# Altium PCB carrier.PcbDoc (part 5 of 5)
Units mm, origin at the board's own origin, x right, y up, seen from the top; angles counter-clockwise.
Board outline 140 x 87 mm, 4 copper layers (Component Side, Power_layer1, Power_layer2, Solder Side), stack 1.674 mm thick; 384 components, 416 nets, 1916 pads, 853 vias.
Unrouted connection lines stored in the file: 26.
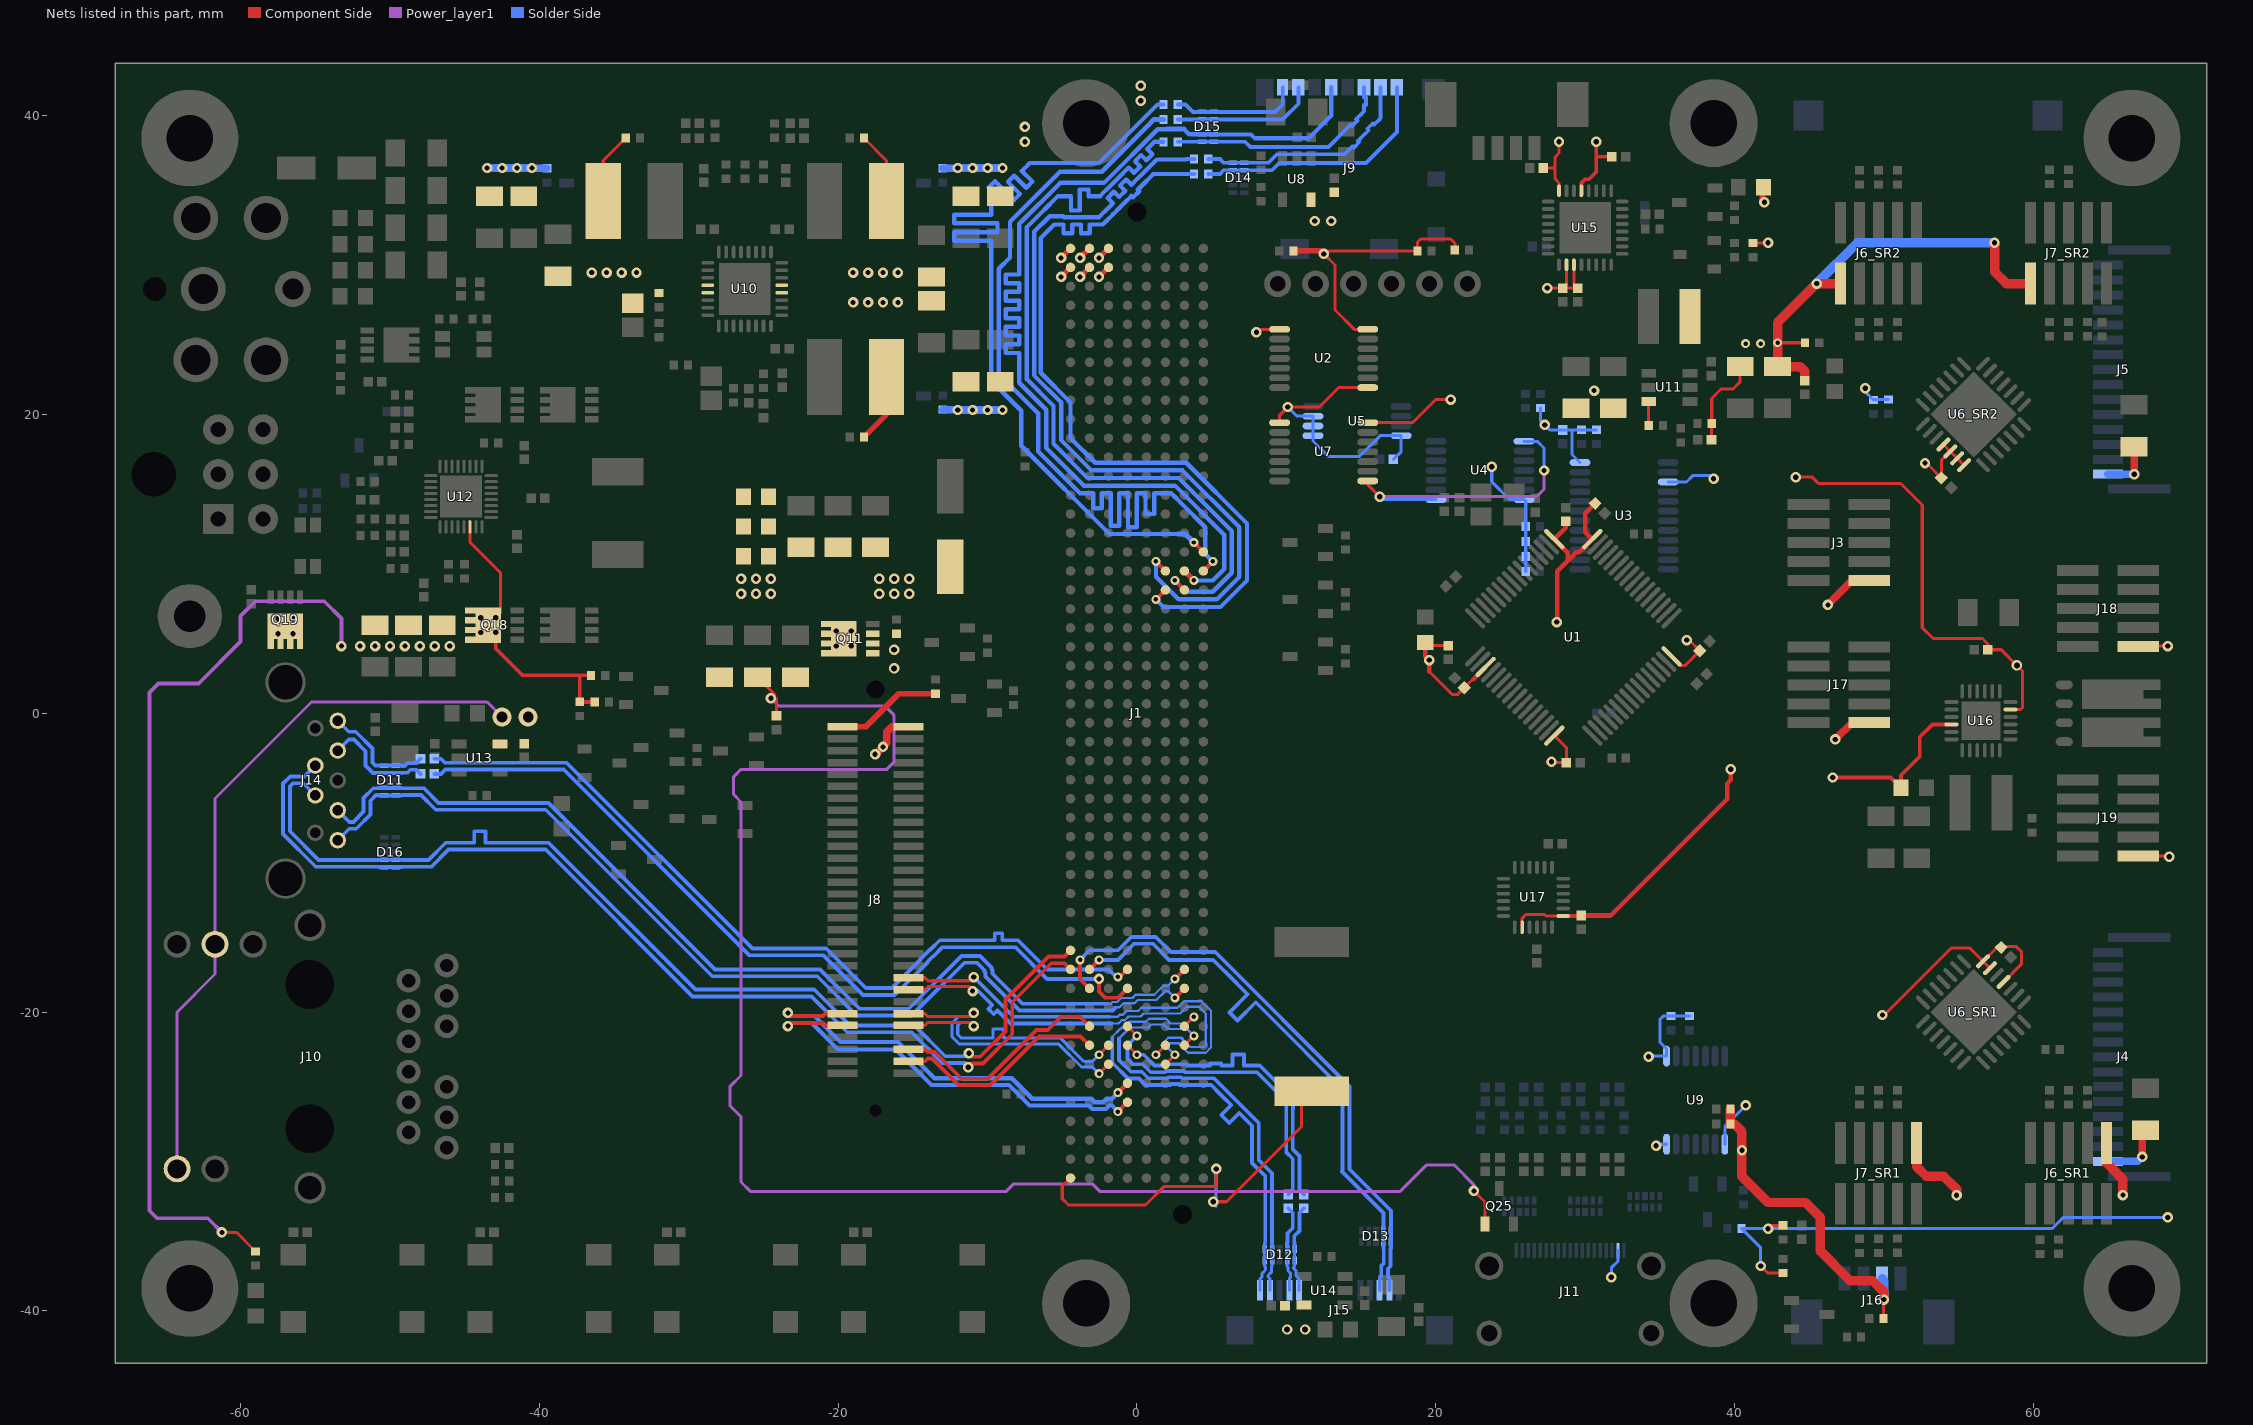
[diagram p7: the nets of this part, all layers, seen from the top]

## Via types
v1: diameter 0.7, hole 0.35, Component Side to Solder Side, 418 vias
v2: diameter 0.7, hole 0.35, Component Side to Solder Side, tented both sides, 128 vias
v3: diameter 0.6, hole 0.3, Component Side to Solder Side, tented top, 101 vias
v4: diameter 0.7, hole 0.35, Component Side to Solder Side, tented top, 72 vias
v5: diameter 0.7, hole 0.4, Component Side to Solder Side, 48 vias
v6: diameter 0.6, hole 0.3, Component Side to Solder Side, 39 vias
v7: diameter 0.7, hole 0.35, Component Side to Solder Side, tented bottom, 36 vias
v8: diameter 0.7, hole 0.4, Component Side to Solder Side, tented bottom, 7 vias
v9: diameter 1.27, hole 0.711, Component Side to Solder Side, 2 vias
v10: diameter 0.6, hole 0.3, Component Side to Solder Side, tented bottom, 2 vias

## Nets (pads, with @x,y where several pads share a name; then routed paths per layer and width w, separated by ;. In a path a pad name is that pad's centre, name@x,y a point inside that pad or via, vN(x,y) a via of type N, cw(c..) or ccw(c..) an arc to the next point about the centre after c; other vN are vias at no path point) (continued)
SATA_TX_N: J1.D45 J8.49 | length 29.6
  Component Side w0.279: v1(-23.368,-20.061) -23.158,-20.271 -21.011,-20.271 -20.84,-20.1 J8.49@-19.7,-20.1 ; v3(-1.27,-25.4) J1.D45@-0.635,-24.765
  Solder Side w0.279: v1(-23.368,-20.061) -23.158,-20.271 -21.582,-20.271 -19.853,-22 -16,-22 -13.565,-24.435 -8.382,-24.435 -7.01,-25.806 -3.042,-25.806 -2.806,-26.042 -2.274,-26.042 -2.038,-25.806 -1.676,-25.806 v3(-1.27,-25.4)
SATA_TX_P: J1.D46 J8.51 | length 29.6
  Component Side w0.279: v1(-23.368,-20.939) -23.158,-20.729 -21.011,-20.729 -20.84,-20.9 J8.51@-19.7,-20.9 ; v3(-1.27,-26.67) J1.D46@-0.635,-26.035
  Solder Side w0.279: v1(-23.368,-20.939) -23.158,-20.729 -21.771,-20.729 -20,-22.5 -16.147,-22.5 -13.755,-24.892 -8.571,-24.892 -7.2,-26.264 -3.231,-26.264 -2.995,-26.499 -2.085,-26.499 -1.849,-26.264 -1.676,-26.264 v3(-1.27,-26.67)
SDC_CLK: D15.4 J1.G18 J9.5 | length 71
  Component Side w0.343: J1.G18@3.175,9.525 v3(3.81,8.89)
  Solder Side w0.254: D15.4@5.135,38.75 7.632,38.75 7.901,38.481
  Solder Side w0.292: 2,39.1 1.387,39.1 -2.213,35.5 -5.14,35.5 -7.874,32.766 -7.874,30.25 -7.874,29.958 -7.874,29.374 -8.78,29.374 -8.78,28.79 -7.874,28.79 -7.874,28.205 -8.78,28.205 -8.78,27.621 -7.874,27.621 -7.874,27.037 -8.78,27.037 -8.78,26.453 -7.874,26.453 -7.874,25.869 -8.78,25.869 -8.78,25.284 -7.874,25.284 -7.874,24.7 -8.78,24.7 -8.78,24.116 -7.874,24.116 -7.874,22.25 -7.874,22.126 -6.071,20.323 -6.071,17.755 -3.556,15.24 2.54,15.24 5.842,11.938 5.842,9.652 5.08,8.89 v3(3.81,8.89) ; 3.15,39.1 3.5,38.75 D15.4@4.365,38.75 D15.4@5.135,38.75 ; 7.901,38.481 11.481,38.481 13.005,40.005 J9.5@13.005,41.9
  Solder Side w0.343: 2,39.1 3.15,39.1
SDC_CMD: J1.G19 R25.1 | length 54.3
  Component Side w0.292: v3(2.54,8.89) J1.G19@3.175,8.255
  Solder Side w0.292: R25.1@1.775,38.25 1.166,38.25 1.105,38.189 0.692,37.776 1.045,37.423 0.632,37.01 0.279,37.363 -0.134,36.95 0.218,36.597 -0.195,36.184 -0.547,36.537 -0.96,36.124 -1.167,35.917 -1.64,35.444 -1.672,35.412 -2.467,34.617 -2.858,34.617 -3.247,34.617 -3.247,35.056 -3.831,35.056 -3.831,34.617 -3.831,33.654 -4.415,33.654 -4.415,34.617 -4.999,34.617 -5.292,34.617 -5.594,34.315 -6.007,33.902 -6.421,33.488 -6.627,33.282 -7.366,32.543 -7.366,22.352 -5.588,20.574 -5.588,18.034 -3.302,15.748 2.794,15.748 6.35,12.192 6.35,9.398 5.08,8.128 3.302,8.128 v3(2.54,8.89)
SDC_D0: J1.H18 R26.1 | length 60.3
  Component Side w0.254: J1.H18@4.445,9.525 v3(5.08,10.16)
  Solder Side w0.292: 1.016,39.624 -2.358,36.25 -5.152,36.25 -8.5,32.902 -8.5,30.5 -9.25,29.75 -9.25,22.79 -9.25,22.712 -6.604,20.066 -6.604,17.526 -3.81,14.732 -3.518,14.732 -2.934,14.732 -2.934,13.722 -2.349,13.722 -2.349,14.732 -1.765,14.732 -1.765,12.554 -1.181,12.554 -1.181,14.732 -0.597,14.732 -0.597,12.444 -0.013,12.444 -0.013,14.732 0.572,14.732 0.572,13.338 1.156,13.338 1.156,14.732 1.74,14.732 2.286,14.732 2.493,14.525 2.906,14.112 3.009,14.009 4.572,12.446 4.572,10.668 v3(5.08,10.16)
  Solder Side w0.343: 1.016,39.624 1.142,39.75 R26.1@1.775,39.75
SDC_D1: J1.H17 R125.1 | length 63.1
  Component Side w0.254: v3(3.81,11.43) J1.H17@4.445,10.795
  Solder Side w0.292: R125.1@1.775,40.75 1.38,40.75 -2.54,36.83 -7.17,36.83 -7.5,36.5 -7.707,36.293 -7.001,35.587 -7.414,35.174 -8.12,35.88 -8.223,35.984 -8.636,35.571 -8.533,35.467 -7.827,34.761 -8.24,34.348 -8.946,35.054 -9.503,35.611 -9.916,35.198 -9.359,34.641 -9.75,34.25 -9.75,33.958 -9.75,33.374 -12.225,33.374 -12.225,32.789 -9.75,32.789 -9.339,32.789 -9.339,32.205 -9.75,32.205 -12.225,32.205 -12.225,31.621 -9.75,31.621 -9.75,30 -9.75,22.25 -7.75,20.25 -7.75,17.91 -1.84,12 2.75,12
  Solder Side w0.343: 2.75,12 3.24,12 v3(3.81,11.43)
SDC_D2: J1.F19 R126.1 | length 54.8
  Component Side w0.292: v3(1.27,7.62) J1.F19@1.905,8.255
  Solder Side w0.292: v3(1.27,7.62) 1.778,7.112 5.588,7.112 7.366,8.89 7.366,12.7 3.302,16.764 -2.794,16.764 -4.445,18.415 -4.445,20.805 -6.439,22.799 -6.439,31.811 -5.535,32.715 -4.915,32.715 -4.915,32.13 -4.331,32.13 -4.331,32.715 -3.746,32.715 -3.746,32.13 -3.162,32.13 -3.162,32.715 -2.578,32.715 -2.286,32.715 -2.023,32.978 -1.61,33.391 -1.197,33.804 -0.784,34.217 -0.371,34.63 -0.268,34.527 0.146,34.94 0.042,35.043 0.249,35.25 1.099,36.1 R126.1@3.825,36.1
SDC_D3: J1.F18 R127.1 | length 55.9
  Component Side w0.292: v3(1.27,10.16) J1.F18@1.905,9.525
  Solder Side w0.292: v3(1.27,10.16) 1.27,9.144 2.794,7.62 5.334,7.62 6.858,9.144 6.858,12.446 3.048,16.256 -3.048,16.256 -5.08,18.288 -5.08,20.811 -6.883,22.615 -6.883,32.233 -5.842,33.274 -4.952,33.274 -4.887,33.209 -4.06,33.209 -3.108,33.209 -2.75,33.209 -2.541,33.209 -2.435,33.315 -2.022,33.728 -1.609,34.141 -1.962,34.494 -1.549,34.907 -1.196,34.554 -0.783,34.967 -1.135,35.32 -0.722,35.733 -0.37,35.38 0.043,35.793 0.25,36 1.322,37.072 3.306,37.072 3.278,37.1 R127.1@3.825,37.1
SDCARD_CMD: D15.5 J9.3 R25.2 | length 15.7
  Solder Side w0.254: R25.2@2.725,38.25 D15.5@4.365,38.25 D15.5@5.135,38.25 7.25,38.25 7.591,37.91 12.814,37.91 14.307,39.402 14.397,39.312 14.756,39.672 14.666,39.761 15.025,40.121 15.205,40.3 15.205,40.716 15.332,40.716 15.332,41.224 15.205,41.224 15.205,41.478 J9.3@15.205,41.9
SDCARD_DAT0: D15.2 J9.7 R26.2 | length 9.5
  Solder Side w0.254: R26.2@2.8,39.75 D15.2@4.365,39.75 D15.2@5.135,39.75 9.75,39.75 10.805,40.805 J9.7@10.805,41.9
SDCARD_DAT1: D15.1 J9.8 R125.2 | length 8.6
  Solder Side w0.254: R125.2@2.725,40.75 3.25,40.75 3.75,40.25 D15.1@4.365,40.25 D15.1@5.135,40.25 9.25,40.25 9.755,40.755 J9.8@9.755,41.9
SDCARD_DAT2: D14.2 J9.1 R126.2 | length 16.8
  Solder Side w0.254: R126.2@4.775,36.1 5.55,36.1 5.8,36.35 D14.2@6.415,36.35 D14.2@7.185,36.35 9.05,36.35 9.53,36.83 15.33,36.83 17.405,38.905 J9.1@17.405,41.9
SDCARD_DAT3: D14.1 J9.2 R127.2 | length 15.4
  Solder Side w0.254: R127.2@4.775,37.1 5.55,37.1 5.8,36.85 D14.1@6.415,36.85 D14.1@7.185,36.85 8.8,36.85 9.364,37.414 13.894,37.414 14.073,37.594 14.433,37.953 14.522,37.863 14.882,38.222 14.792,38.312 15.151,38.671 15.51,39.031 15.42,39.12 15.78,39.48 15.869,39.39 16.229,39.749 16.305,39.825 16.305,40.079 16.305,40.587 16.305,40.64 J9.2@16.305,41.9
USB0_D_N: D13.1 J1.B40 J15.2 | length 39.9
  Component Side w0.279: v3(-3.81,-16.51) -3.81,-17.78 J1.B40@-3.175,-18.415
  Solder Side w0.254: v3(-3.81,-16.51) -3.168,-15.868 -1.274,-15.868 -0.38,-14.973 1.263,-14.973 2.28,-15.99 5.237,-15.99 14.224,-24.977 14.224,-30.527 17,-33.303 D13.1@17,-34.615 D13.1@17,-35.385 17,-35.787 16.979,-35.808 16.979,-37.014 16.804,-37.189 16.804,-37.727 16.9,-37.823 J15.2@16.9,-38.625
USB0_D_P: D13.2 J1.B39 J15.3 | length 39.9
  Component Side w0.279: J1.B39@-3.175,-17.145 v3(-2.54,-16.51)
  Solder Side w0.254: v3(-2.54,-16.51) -1.27,-16.51 -0.191,-15.43 1.073,-15.43 2.153,-16.51 5.11,-16.51 6.6,-18 6.869,-18.269 7.408,-18.808 6.184,-20.032 6.723,-20.571 7.947,-19.347 8.85,-20.25 13.767,-25.167 13.767,-30.615 13.716,-30.666 16.5,-33.45 D13.2@16.5,-34.615 D13.2@16.5,-35.385 16.5,-35.787 16.521,-35.808 16.521,-36.825 16.346,-37 16.346,-37.727 16.25,-37.823 J15.3@16.25,-38.625
USB0_RX_N: D11.5 J1.G40 J14.5 | length 68.6
  Component Side w0.254: v3(2.54,-19.05) J1.G40@3.175,-18.415
  Solder Side w0.152: -1.5,-19.7 -1.482,-19.682 -1.175,-19.682 -0.903,-19.41 -0.158,-19.41 0.052,-19.2 1.298,-19.2 1.905,-18.593 2.083,-18.593 v3(2.54,-19.05)
  Solder Side w0.254: J14.5@-53.5,-8.5 -52.729,-7.729 -52.262,-7.729 -51.308,-6.775 -51.308,-5.86 -50.927,-5.479 -50.808,-5.479 -50.787,-5.5 D11.5@-50.385,-5.5 D11.5@-49.615,-5.5 -49.213,-5.5 -49.192,-5.479 -47.921,-5.479 -46.943,-6.457 -39.575,-6.457 -28.43,-17.602 -21.398,-17.602 -18.766,-20.234 -15.087,-20.234 -11.553,-16.7 -10.703,-16.7 -10.203,-17.199 -10.203,-17.306 -10.135,-17.374 -10.135,-17.624 -7.853,-19.906 -1.634,-19.906 -1.464,-19.736
USB0_RX_P: D11.4 J1.G39 J14.6 | length 68.5
  Component Side w0.254: v3(2.54,-17.78) J1.G39@3.175,-17.145
  Solder Side w0.152: -2,-19.449 -1.751,-19.449 -1.63,-19.327 -1.322,-19.327 -1.05,-19.055 -0.305,-19.055 -0.095,-18.844 1.151,-18.844 1.758,-18.237 2.083,-18.237 v3(2.54,-17.78)
  Solder Side w0.254: J14.6@-53.5,-6.5 -52.729,-7.271 -52.451,-7.271 -51.765,-6.586 -51.765,-5.67 -51.116,-5.021 -50.808,-5.021 -50.787,-5 D11.4@-50.385,-5 D11.4@-49.615,-5 -49.213,-5 -49.192,-5.021 -47.732,-5.021 -46.753,-6 -39.385,-6 -28.24,-17.145 -21.208,-17.145 -18.577,-19.777 -15.277,-19.777 -11.743,-16.243 -10.514,-16.243 -9.746,-17.01 -9.746,-17.116 -9.678,-17.184 -9.678,-17.434 -7.664,-19.449 -2,-19.449
USB0_TX_N: C91.2 J1.D40 | length 56.3
  Component Side w0.254: v4(-2.54,-17.78) -2.54,-18.624 -2.114,-19.05 -1.27,-19.05 J1.D40@-0.635,-18.415
  Solder Side w0.254: C91.2@-47.038,-4.064 -46.591,-4.064 -46.299,-3.772 -38.368,-3.772 -25.934,-16.205 -20.992,-16.205 -18.34,-18.857 -16.211,-18.857 -14.029,-16.676 -14.029,-16.639 -13.661,-16.271 -13.624,-16.271 -13.011,-15.657 -8.143,-15.657 -6.02,-17.78 v4(-2.54,-17.78)
USB0_TX_P: C90.2 J1.D39 | length 56.5
  Component Side w0.254: v3(-1.27,-17.64) -1.13,-17.64 J1.D39@-0.635,-17.145
  Solder Side w0.254: C90.2@-47.04,-3.048 -46.593,-3.048 -46.326,-3.315 -38.178,-3.315 -25.745,-15.748 -20.803,-15.748 -18.151,-18.4 -16.4,-18.4 -14.487,-16.487 -14.487,-16.45 -13.85,-15.813 -13.813,-15.813 -13.2,-15.2 -11.5,-15.2 -9.52,-15.2 -9.52,-14.722 -9.012,-14.722 -9.012,-15.2 -8.504,-15.2 -8.25,-15.2 -7.953,-15.2 -7.355,-15.798 -6.817,-16.337 -6.278,-16.876 ; -6.403,-16.75 -6.278,-16.876 ; v3(-1.27,-17.64) -1.41,-17.64 -1.905,-17.145 -6.008,-17.145 -6.278,-16.876
USB0_TXc_N: C91.1 D11.2 J14.8 | length 7.5
  Solder Side w0.254: J14.8@-53.5,-2.5 -52.767,-1.767 -52.411,-1.767 -51.638,-2.54 -51.638,-3.491 -51.13,-4 D11.2@-50.385,-4 D11.2@-49.615,-4 -49.213,-4 -49.192,-3.979 -48.835,-3.979 -48.641,-3.785 -48.237,-3.785 C91.1@-47.958,-4.064
USB0_TXc_P: C90.1 D11.1 J14.9 | length 7.5
  Solder Side w0.254: J14.9@-53.5,-0.5 -52.767,-1.233 -52.298,-1.233 -51.181,-2.351 -51.181,-3.302 -50.983,-3.5 D11.1@-50.385,-3.5 D11.1@-49.615,-3.5 -49.213,-3.5 -49.192,-3.521 -49.024,-3.521 -48.83,-3.327 -48.239,-3.327 C90.1@-47.96,-3.048
USB1_D_N: D16.5 J1.A39 J14.2 | length 70.6
  Component Side w0.254: v1(-11.3,-23.7) -11.054,-23.454 -10.311,-23.454 -8.343,-21.487 -8.343,-19.343 -5.739,-16.739 -4.851,-16.739 J1.A39@-4.445,-17.145
  Solder Side w0.254: J14.2@-55,-3.5 -55.733,-4.233 -56.68,-4.233 -57.157,-4.711 -57.157,-8.089 -54.968,-10.279 -50.808,-10.279 -50.787,-10.3 D16.5@-50.385,-10.3 D16.5@-49.615,-10.3 -49.213,-10.3 -49.192,-10.279 -47.232,-10.279 -46.077,-9.123 -39.577,-9.123 -29.743,-18.957 -21.789,-18.957 -19.389,-21.357 -15.089,-21.357 -13.027,-23.419 -11.544,-23.419 -11.532,-23.432 -11.448,-23.432 -11.3,-23.579 v1(-11.3,-23.7)
USB1_D_P: D16.4 J1.A38 J14.3 | length 70.5
  Component Side w0.254: v1(-11.25,-22.752) -11.004,-22.997 -10.5,-22.997 -8.8,-21.297 -8.8,-19.153 -5.928,-16.281 -4.851,-16.281 J1.A38@-4.445,-15.875
  Solder Side w0.254: J14.3@-55,-5.5 -55.809,-4.691 -56.49,-4.691 -56.7,-4.9 -56.7,-7.9 -54.779,-9.821 -50.808,-9.821 -50.787,-9.8 D16.4@-50.385,-9.8 D16.4@-49.615,-9.8 -49.213,-9.8 -49.192,-9.821 -47.421,-9.821 -46.266,-8.666 -45.885,-8.666 -45.123,-8.666 -44.361,-8.666 -44.361,-7.898 -43.599,-7.898 -43.599,-8.666 -42,-8.666 -39.387,-8.666 -29.553,-18.5 -21.6,-18.5 -19.2,-20.9 -14.9,-20.9 -12.838,-22.962 -11.46,-22.962 v1(-11.25,-22.752)
USB1_RX_N: D12.4 J1.G43 J15.9 | length 33.5
  Component Side w0.203: J1.G43@3.175,-22.225 v3(3.81,-21.59)
  Solder Side w0.152: -1.2,-21.774 -0.632,-21.206 -0.544,-21.206 -0.373,-21.036 0.739,-21.036 0.947,-20.828 1.796,-20.828 2.106,-21.138 3.358,-21.138 v3(3.81,-21.59)
  Solder Side w0.203: 8.766,-37.634 8.766,-37.714 8.9,-37.848 J15.9@8.9,-38.625 ; 8.773,-37.642 8.991,-37.425 8.991,-37.071 9.05,-37.012 D12.4@9.05,-36.635
  Solder Side w0.254: -1.2,-21.774 -1.2,-23.2 -0.4,-24 0.325,-24 0.76,-24.435 2.039,-24.435 2.111,-24.363 2.969,-24.363 3.041,-24.435 5.165,-24.435 8.157,-27.427 8.157,-29.911 9.041,-30.795 9.041,-35.454 9.05,-35.463 D12.4@9.05,-35.865 D12.4@9.05,-36.635 ; 9.016,-34.8 9.016,-32.211
USB1_RX_P: D12.5 J1.G42 J15.10 | length 33.5
  Component Side w0.203: J1.G42@3.175,-20.955 v3(3.81,-20.32)
  Solder Side w0.152: -1.657,-21.692 -1.657,-21.656 -1.136,-21.135 -1.1,-21.135 -0.816,-20.851 -0.691,-20.851 -0.495,-20.655 0.592,-20.655 0.8,-20.447 1.936,-20.447 2.253,-20.764 3.365,-20.764 v3(3.81,-20.32)
  Solder Side w0.203: J15.10@8.25,-38.625 8.25,-37.848 8.385,-37.714 8.385,-37.492 8.61,-37.267 8.61,-37.071 8.55,-37.012 D12.5@8.55,-36.635
  Solder Side w0.254: -1.657,-21.692 -1.657,-23.389 -0.589,-24.457 0.136,-24.457 0.571,-24.892 2.229,-24.892 2.3,-24.821 2.78,-24.821 2.851,-24.892 4.976,-24.892 5.5,-25.416 5.769,-25.685 6.308,-26.224 5.637,-26.896 6.175,-27.435 6.847,-26.763 7.7,-27.616 7.7,-30.1 8.584,-30.984 8.584,-35.429 8.55,-35.463 D12.5@8.55,-35.865 D12.5@8.55,-36.635
USB1_TX_N: C97.2 J1.D43 | length 21.5
  Component Side w0.203: J1.D43@-0.635,-22.225 v3(0,-22.86)
  Solder Side w0.254: v3(0,-22.86) 0.46,-22.86 0.691,-23.091 0.691,-23.1 1.03,-23.439 1.039,-23.439 1.171,-23.571 1.682,-23.571 1.753,-23.5 3.327,-23.5 3.398,-23.571 4.5,-23.571 4.881,-23.571 4.881,-23.444 5.643,-23.444 5.643,-23.571 6.405,-23.571 6.405,-22.848 7.167,-22.848 7.167,-23.571 8,-23.571 8.218,-23.571 10.457,-25.811 10.457,-26.511 ; 10.432,-29.197 10.432,-26.071 ; 10.444,-29.197 10.881,-29.633 10.881,-31.921 C97.2@11.176,-32.216
USB1_TX_P: C96.2 J1.D42 | length 21.3
  Component Side w0.203: J1.D42@-0.635,-20.955 v3(0,-21.59)
  Solder Side w0.203: 7.5,-24.003 7.753,-24.003
  Solder Side w0.254: v3(0,-21.59) -0.63,-22.22 -0.63,-23.121 -0.261,-23.49 0.39,-23.49 0.928,-24.028 1.871,-24.028 1.942,-23.957 3.138,-23.957 3.209,-24.028 8.028,-24.028 10,-26 10,-29.399 10.423,-29.823 10.423,-31.921 C96.2@10.128,-32.216
USB1_TXc_N: C97.1 D12.1 J15.6 | length 5.9
  Solder Side w0.203: D12.1@10.55,-35.865 D12.1@10.55,-36.635 10.55,-37.012 10.491,-37.071 10.491,-37.155 10.65,-37.314 10.65,-37.65 10.848,-37.848 10.85,-37.848 J15.6@10.85,-38.625
  Solder Side w0.254: D12.1@10.55,-35.865 10.55,-35.463 10.529,-35.442 10.529,-35 10.881,-34.648 10.881,-33.431 C97.1@11.176,-33.136
USB1_TXc_P: C96.1 D12.2 J15.7 | length 5.9
  Solder Side w0.203: D12.2@10.05,-35.865 D12.2@10.05,-36.635 10.05,-37.012 10.11,-37.071 10.11,-37.313 10.269,-37.472 10.269,-37.779 10.2,-37.848 J15.7@10.2,-38.625
  Solder Side w0.254: D12.2@10.05,-35.865 10.05,-35.463 10.071,-35.442 10.071,-34.811 10.423,-34.459 10.423,-33.431 C96.1@10.128,-33.136
USBM2_D_N: J1.B43 J8.58 | length 14.5
  Component Side w0.254: J8.58@-15.3,-23.3 -14.173,-23.3 -13.989,-23.116 -13.714,-23.116 -11.938,-24.892 -9.803,-24.892 -6.552,-21.641 -5.639,-21.641 -5.626,-21.628 -3.772,-21.628 J1.B43@-3.175,-22.225
USBM2_D_P: J1.B42 J8.56 | length 14.9
  Component Side w0.254: J8.56@-15.3,-22.5 -14.173,-22.5 -13.989,-22.684 -13.535,-22.684 -11.759,-24.46 -9.982,-24.46 -6.731,-21.21 -5.968,-21.21 -5.079,-20.32 -3.81,-20.32 J1.B42@-3.175,-20.955
USBM2_RX_N: J1.F44 J8.44 | length 29.7
  Component Side w0.203: J8.44@-15.3,-17.7 -14.198,-17.7 -13.989,-17.909 -13.716,-17.909 -13.714,-17.907 -11.17,-17.907 v1(-10.922,-17.659) ; J1.F44@1.905,-23.495 v3(2.54,-22.86)
  Solder Side w0.152: -1.847,-20.312 -1.283,-20.312 -1.161,-20.19 -0.964,-20.19 -0.7,-19.926 0.081,-19.926 0.289,-19.718 2.71,-19.718 3.155,-19.273 4.16,-19.273 ; 2.083,-22.225 2.083,-22.403 v3(2.54,-22.86) ; 2.095,-22.225 2.222,-22.098 2.794,-22.098 3.414,-22.718 4.603,-22.718 4.956,-22.365 4.956,-19.921 4.307,-19.273
  Solder Side w0.203: 4.16,-19.273 4.307,-19.273
  Solder Side w0.254: v1(-10.922,-17.659) -8.268,-20.312 -1.847,-20.312
USBM2_RX_P: J1.F43 J8.46 | length 29.4
  Component Side w0.203: J8.46@-15.3,-18.5 -14.198,-18.5 -13.989,-18.29 -13.558,-18.29 -13.556,-18.288 -11.17,-18.288 ; v3(1.27,-22.86) J1.F43@1.905,-22.225
  Solder Side w0.152: -1.7,-20.769 -1.237,-20.769 -1.014,-20.546 -0.817,-20.546 -0.571,-20.299 0.228,-20.299 0.436,-20.091 2.9,-20.091 3.337,-19.654 4.16,-19.654 4.6,-20.094 4.6,-22.217 4.481,-22.337 3.571,-22.337 3.063,-21.829 ; v3(1.27,-22.86) 1.727,-22.403 1.727,-22.09 2.093,-21.724 2.959,-21.724
  Solder Side w0.203: 2.959,-21.724 3.063,-21.829
  Solder Side w0.254: v1(-11,-18.6) -10.627,-18.6 -10.227,-19 -10.048,-19.18 -9.688,-19.539 -9.941,-19.792 -9.582,-20.151 -9.329,-19.898 -8.97,-20.257 -8.458,-20.769 -1.7,-20.769
USBM2_TX_N: J1.C44 J8.50 | length 19
  Component Side w0.203: J8.50@-15.3,-20.1 -14.198,-20.1 -13.989,-20.309 -11.17,-20.309 v1(-10.922,-20.061) ; v3(-2.54,-24.13) J1.C44@-1.905,-23.495
  Solder Side w0.203: v1(-10.922,-20.061) -11.17,-20.309 -11.958,-20.309 -12.377,-20.728 -12.377,-21.662 -11.908,-22.131 -5.268,-22.131 -3.714,-23.685 -2.984,-23.685 v3(-2.54,-24.13)
USBM2_TX_P: J1.C43 J8.52 | length 19
  Component Side w0.203: J8.52@-15.3,-20.9 -14.198,-20.9 -13.989,-20.69 -11.17,-20.69 v1(-10.922,-20.939) ; v3(-2.54,-22.86) J1.C43@-1.905,-22.225
  Solder Side w0.203: v1(-10.922,-20.939) -11.17,-20.69 -11.8,-20.69 -11.996,-20.886 -11.996,-21.496 -12,-21.5 -11.75,-21.75 -10,-21.75 -9.644,-21.75 -9.644,-21.12 -8.933,-21.12 -8.933,-21.75 -7,-21.75 -5.111,-21.75 -3.556,-23.304 -2.984,-23.304 v3(-2.54,-22.86)
VDD_1V8_SYS: C13.1 C62.2 C63.2 C100.2 C101.2 J18.1 J19.1 L4.2 R28.2 R31.2 R65.1 R66.1 R105.1 R108.2 U2.1 U2.8 U4.1 U4.8 U5.1 U5.2 U5.3 U5.8 U7.1 U7.8 U15.2 U15.3 | length 95.7
  Component Side w0.203: R66.1@-18.275,38.5 -16.775,37 L4.2@-16.775,34.3 ; v1(8,25.5) 8.2,25.7 U2.1@9.55,25.7 ; U7.1@9.55,19.45 9.55,19.95 v1(10.1,20.5) 12.2,20.5 13.5,21.8 U2.8@15.45,21.8 ; U7.8@15.45,15.55 15.45,15.3 v1(16.25,14.5) ; v1(27.46,28.46) C100.2@28.5,28.46 ; U15.2@28.75,30.025 28.75,28.71 C100.2@28.5,28.46 ; U15.3@29.25,30.025 29.25,28.71 C101.2@29.5,28.46 C100.2@28.5,28.46 ; R105.1@41.25,31.475 42.225,31.475 v1(42.25,31.5) ; v1(41.75,-37) 42.225,-37.475 R31.2@43.25,-37.475 ; v1(42.25,-34.5) 42.475,-34.275 R108.2@43.25,-34.275 ; J19.1@67.032,-9.54 69.04,-9.54 v1(69.1,-9.6) ; J18.1@67.032,4.46 67.072,4.5 v1(69,4.5)
  Power_layer1 w0.203: v1(16.25,14.5) 26.75,14.5 27.25,15 v1(27.25,16.25)
  Solder Side w0.203: v1(10.1,20.5) 10.717,19.883 U5.3@11.782,19.883 U5.2@11.782,19.233 U5.1@11.782,18.583 11.782,18.218 12.8,17.2 14.9,17.2 16.283,18.583 U5.8@17.682,18.583 17.682,17.512 C13.1@17.17,17 ; v1(16.25,14.5) 16.444,14.306 U4.1@20.012,14.306 ; U4.8@25.912,18.206 26.794,18.206 27.25,17.75 v1(27.25,16.25) ; v1(41.75,-37) 41.75,-35.775 R28.2@40.475,-34.5 v1(42.25,-34.5) 61.25,-34.5 62,-33.75 v1(69,-33.75)
  Solder Side w0.508: R65.1@-13,36.475 -12.025,36.475 v1(-12,36.5) v1(-11,36.5) v1(-10,36.5) v1(-9,36.5)
VDD_3V3_MCU: C1.1 C3.1 C4.1 C5.1 C6.1 C14_SR1.2 C14_SR2.2 C54.2 C55.2 C56.2 C57.1 C110.2 C119.1 C121.1 FB5.1 FB25.2 J3.1 J6_SR1.1 J6_SR2.1 J7_SR1.1 J7_SR2.1 J17.1 L3.2 R9.2 R10.2 R63.2 R76.2 U1.1 U1.19 U1.32 U1.48 U1.64 U6_SR1.25 U6_SR1.27 U6_SR1.28 U6_SR2.25 U6_SR2.26 U6_SR2.27 U6_SR2.28 U16.11 U16.22 U17.8 U17.13 | length 163.9
  Component Side w0.203: FB5.1@19.304,4.738 19.518,4.524 C1.1@20.828,4.524 ; 19.558,2.794 21.082,1.27 21.479,1.27 C3.1@21.915,1.707 22.495,2.286 22.527,2.286 ; U17.8@25.783,-14.325 25.783,-13.717 26.033,-13.467 27.286,-13.467 27.394,-13.575 U17.13@28.533,-13.575 ; v1(27.75,-3.25) 27.484,-3.25 27.432,-3.302 C5.1@28.75,-3.302 28.75,-2.309 U1.32@27.937,-1.496 ; U1.48@35.786,3.807 36.393,3.2 36.7,3.2 C4.1@37.675,4.175 36.949,4.9 v1(36.8,4.9) ; C57.1@38.46,18.3 38.46,19.385 R63.2@38.475,19.4 38.475,21.075 39.1,21.7 39.9,21.7 40.382,22.182 C54.2@40.382,23.21 ; v6(42.882,24.8) R76.2@44.725,24.8 ; v1(44.1,15.8) 45.201,15.8 45.608,15.392 51.113,15.392 52.567,13.939 52.567,5.733 53.3,5 56.6,5 56.96,4.64 C110.2@56.96,4.25 57.85,4.25 v5(58.9,3.2) 59.275,2.825 59.275,0.375 59.15,0.25 U16.11@58.475,0.25 ; v1(49.9,-20.2) 50.031,-20.2 54.531,-15.7 55.731,-15.7 U6_SR1.28@56.636,-16.606 ; v1(52.75,16.75) 52.846,16.75 C14_SR2.2@53.848,15.748 53.848,16.929 U6_SR2.26@54.444,17.525 ; U6_SR2.25@53.985,17.985 U6_SR2.26@54.444,17.525 ; U6_SR2.28@55.364,16.606 U6_SR2.27@54.904,17.066 U6_SR2.26@54.444,17.525 ; U6_SR1.27@57.096,-17.066 U6_SR1.28@56.636,-16.606 ; U6_SR1.25@58.015,-17.985 59.198,-16.802 59.198,-15.951 58.868,-15.621 57.897,-15.621 C14_SR1.2@57.841,-15.677 57.566,-15.677 U6_SR1.28@56.636,-16.606
  Component Side w0.254: U17.13@28.533,-13.575 C121.1@29.715,-13.575 ; v1(46.575,-4.3) 50.45,-4.3 FB25.2@51.15,-5 51.15,-4.15 52.4,-2.9 52.4,-1.6 53.25,-0.75 U16.22@54.525,-0.75
  Component Side w0.305: FB5.1@19.304,4.738 19.304,3.81 v1(19.558,3.556) 19.558,2.794 ; 22.527,2.286 U1.19@23.341,3.1 ; v1(28.1,6.1) 28.143,6.143 28.143,9.5 28.843,10.2 ; C119.1@28.7,12.84 28.7,12.419 U1.1@27.937,11.656 28.843,10.75 28.843,10.2 ; C121.1@29.715,-13.575 C121.1@29.75,-13.54 31.71,-13.54 39.5,-5.75 39.5,-4.717 39.75,-4.467 v1(39.75,-3.75) ; C6.1@30.663,14.041 30.012,13.391 30.012,12.126 U1.64@30.483,11.656 29.6,10.773 29.417,10.773 28.843,10.2
  Component Side w0.508: v1(46.25,7.25) 47.89,8.89 J3.1@49.022,8.89 ; v1(46.75,-1.75) 47.865,-0.635 J17.1@49.022,-0.635
  Component Side w0.635: C56.2@44.7,22.26 44.7,22.9 44.39,23.21 C55.2@42.882,23.21 v6(42.882,24.8) 42.882,26.147 v1(45.498,28.763) J6_SR2.1@47.11,28.763 ; J7_SR1.1@52.19,-28.763 52.19,-30.346 52.832,-30.988 54,-30.988 54.864,-31.852 v1(54.864,-32.258) ; v1(57.404,31.496) 57.404,29.557 58.198,28.763 J7_SR2.1@59.81,28.763 ; J6_SR1.1@64.89,-28.763 64.89,-30.092 66,-31.202 v1(66,-32.25)
  Solder Side w0.203: v1(48.75,21.75) 48.75,21.525 R9.2@49.3,20.975 49.325,21 R10.2@50.3,21
  Solder Side w0.635: v1(45.498,28.763) 48.231,31.496 v1(57.404,31.496)
  other v6: 40.75,24.75 41.75,24.75
VDD_3V3_STBY: C66.2 C67.2 C68.2 C69.2 J8.1 Q11.D Q25.G R69.2 | length 114.8
  Component Side w0.203: C69.2@-25.4,2.41 -24.245,1.255 ; C66.2@-24.13,-0.175 -24.13,1 ; v1(22.554,-31.973) 23.3,-32.719 Q25.G@23.3,-34.2
  Component Side w0.381: J8.1@-19.7,-0.9 -18.15,-0.9 -15.95,1.3 R69.2@-13.5,1.3
  Power_layer1 w0.203: v1(-24.5,1) -24,0.5 -16.886,0.5 -16.25,-0.136 -16.25,-3.25 -16.75,-3.75 -26.5,-3.75 -27,-4.25 -27,-5.435 -26.5,-5.935 -26.5,-14.216 -26.512,-14.228 -26.512,-14.728 -26.5,-14.74 -26.5,-24.25 -27.25,-25 -27.25,-26.25 -26.5,-27 -26.5,-31.384 -25.884,-32 -8.75,-32 -8.25,-31.5 -3,-31.5 -2.5,-32 17.616,-32 19.366,-30.25 21.25,-30.25 22.554,-31.554 v1(22.554,-31.973)
  other v1: -20.125,4.5 -19.125,4.5 -20.125,5.5 -19.125,5.5
VDD_3V3_SYS: C18.2 C19.1 C48.2 C49.2 C107.1 C108.1 FB21.1 J4.15 J5.15 L2.2 Q11.S R1.2 R2.2 R3.2 R11.2 R12.2 R20.1 R22.2 R32.2 R33.2 R59.1 R60.1 R80.2 R128.2 R129.2 R130.2 U2.14 U3.3 U3.24 U4.14 U7.14 U8.5 U9.1 U9.8 | length 71
  Component Side w0.203: U7.14@15.45,19.45 18.45,19.45 20,21 v1(21,21) ; U2.14@15.45,25.7 14.55,25.7 13.25,27 13.25,30 v1(12.5,30.75) 12.7,30.95 R2.2@18.775,30.95 18.775,31.525 19,31.75 21,31.75 21.275,31.475 R1.2@21.275,31
  Component Side w0.381: R60.1@-18.275,18.5 -16.775,20 L2.2@-16.775,22.5 ; R3.2@10.475,30.95 12.3,30.95 v1(12.5,30.75) ; FB21.1@41.85,35.2 41.85,34.45 42,34.3 v1(42,34.2)
  Component Side w0.508: v1(66.75,16) C107.1@66.75,17.85 ; v1(67.3,-29.7) 67.3,-28.1 C108.1@67.5,-27.9
  Solder Side w0.203: v1(23.75,16.5) 23.75,15.5 24.944,14.306 U4.14@25.912,14.306 26.025,14.193 R130.2@26.025,12.5 R129.2@26.025,11.5 R128.2@26.025,10.5 R22.2@26.025,9.5 ; R20.1@27,20.425 27,19.6 v1(27.3,19.3) 27.64,18.96 C18.2@28.5,18.96 29.118,18.96 ; U3.24@29.658,16.783 29.118,17.323 29.118,18.96 ; R11.2@30.75,18.975 R12.2@29.75,18.975 29.735,18.96 29.118,18.96 ; v1(34.25,-23) 34.3,-22.95 U9.1@35.45,-22.95 35.45,-22.45 35,-22 35,-20.5 35.225,-20.275 R32.2@35.75,-20.275 R33.2@37,-20.275 ; U3.3@35.558,15.483 36.783,15.483 37.2,15.9 38.4,15.9 v1(38.6,15.7) ; U9.8@39.35,-28.85 39.35,-27.65 v1(40.75,-26.25)
  Solder Side w0.508: R59.1@-13,20.325 -12,20.325 v1(-12,20.3) v1(-11,20.3) v1(-10,20.3) v1(-9,20.3) ; J4.15@65,-30 67,-30 v1(67.3,-29.7) ; J5.15@65,16 v1(66.75,16)
  other v5: -16.25,3 -16.25,4.25
  other v7: 11.9,32.95 13,32.95
VDD_5V0_SYS: C37.2 C38.2 C86.1 C92.1 C102.2 C103.2 J8.2 J10.14 J10.16 J11.18 J16.2 L1.2 R29.1 R34.2 R35.2 R55.1 R56.1 U9.14 U13.5 U14.5 U15.21 U15.24 | length 94.5
  Component Side w0.203: L1.2@-35.725,34.3 -35.725,37 R56.1@-34.225,38.5 ; C103.2@27.21,36.5 27.991,36.5 ; U15.24@28.25,34.975 28.25,35.5 27.991,35.759 27.991,36.5 ; v1(28.25,38.25) 28.25,37.5 27.991,37.241 27.991,36.5 ; R29.1@49.975,-40.5 49.975,-39.275 v1(50,-39.25)
  Component Side w0.254: U15.21@29.75,34.975 29.75,35.5 30,35.75 30.25,35.75 30.75,36.25 30.75,37.25 ; v1(30.75,38.25) 30.75,37.25 ; C102.2@31.79,37.25 30.75,37.25
  Component Side w0.508: v1(-17.531,-2.75) -17.5,-2.75 v1(-17,-2.25) -16.75,-2 -16.75,-1.25 -16.4,-0.9 J8.2@-15.3,-0.9
  Component Side w0.635: R35.2@39.725,-26.5 R34.2@39.725,-27.5 40,-27.5 40.5,-28 v1(40.5,-29.25) 40.5,-31 42.25,-32.75 44.75,-32.75 45.75,-33.75 45.75,-36 47.75,-38 49.25,-38 50,-38.75 v1(50,-39.25)
  Power_layer1 w0.203: J10.14@-64.25,-30.5 -64.25,-20 -61.71,-17.46 J10.16@-61.71,-15.463 -61.71,-5.71 -55.25,0.75 -43.5,0.75 v9(-42.5,-0.25)
  Solder Side w0.203: v7(31.75,-37.75) 31.75,-37.123 32.2,-36.673 J11.18@32.2,-35.95 ; v1(34.75,-28.95) 34.85,-28.85 U9.14@35.45,-28.85
  Solder Side w0.508: v1(-43.5,36.5) v1(-42.5,36.5) v1(-41.5,36.5) v1(-40.5,36.5) -40.475,36.475 R55.1@-39.5,36.475
  Solder Side w0.635: J16.2@49.875,-37.85 50,-37.975 v1(50,-39.25)
  other v1: -7.5,38.25 -7.5,39.25 0.25,41 0.25,42
  other v8: 10.05,-41.25 11.25,-41.25
  other v9: -40.75,-0.25
VDD_RTC: C39.1 J1.A50 | length 27.3
  Component Side w0.203: J1.A50@-4.445,-31.115 -5,-31.67 -5,-32.5 -4.582,-32.918 0.566,-32.918 1.798,-31.686 5.276,-31.686 5.3,-31.662 v4(5.3,-30.5) ; v4(5.1,-32.7) 5.995,-32.7 11,-27.695 11,-26 C39.1@11.7,-25.3
  Solder Side w0.203: v4(5.1,-32.7) 5.1,-32.8 5.3,-33 v4(5.3,-30.5)
VIN_NVM: C40.2 C41.2 C42.2 C113.1 FB11.2 FB12.2 FB13.2 J1.A1 J1.A2 J1.B1 J1.B2 J1.C1 J1.C2 | length 5.4
  Component Side w0.33: v4(-5.08,29.21) J1.A2@-4.445,29.845 ; v4(-5.08,30.48) J1.A1@-4.445,31.115 ; v4(-3.81,29.21) J1.B2@-3.175,29.845 ; v4(-3.81,30.48) J1.B1@-3.175,31.115 ; v4(-2.54,29.21) J1.C2@-1.905,29.845 ; v4(-2.54,30.48) J1.C1@-1.905,31.115
  other v1: -17.25,8 -16.25,8 -15.25,8 -17.25,9 -16.25,9 -15.25,9
VIN_PSU: C33.2 C44.2 C52.2 C53.2 C58.2 C65.2 C116.2 C117.2 C118.2 FB11.1 FB12.1 FB13.1 Q18.D Q19.D R62.1 R70.1 R71.1 R73.2 R77.2 R78.2 U10.12 U10.13 U10.28 U10.29 U11.3 U12.22 | length 82
  Component Side w0.203: v1(-61.25,-34.75) -60.275,-34.75 R77.2@-59,-36.025 ; U12.22@-44.65,12.475 -44.65,11.45 -42.6,9.4 -42.6,6.725 v1(-42.925,6.4) Q18.D@-43.425,5.9 ; R62.1@34.257,19.26 U11.3@34.257,20.86
  Component Side w0.254: v1(-42.925,5.4) -42.925,4.325 -41.14,2.54 -37.3,2.54 ; R71.1@-36.543,2.54 -37.3,2.54 ; R70.1@-36.289,0.762 -37.3,0.762 R78.2@-37.3,0.775 -37.3,2.54
  Power_layer1 w0.254: v1(-61.25,-34.75) -62.2,-33.8 -65.6,-33.8 -66.1,-33.3 -66.1,1.4 -65.5,2 -62.8,2 -60,4.8 -60,6.5 -59,7.5 -54.4,7.5 -53.25,6.35 v1(-53.25,4.5)
  other v1: -57.5,5.325 -56.5,5.325 -43.925,5.4 -57.5,6.325 -56.5,6.325 -43.925,6.4 -26.5,8 -25.5,8 -24.5,8 -26.5,9 -25.5,9 -24.5,9
  other v4: -52,4.5 -51,4.5 -50,4.5 -49,4.5 -48,4.5 -47,4.5 -46,4.5 30.6,21.6
  other v7: -19,27.5 -18,27.5 -17,27.5 -16,27.5 -36.5,29.5 -35.5,29.5 -34.5,29.5 -33.5,29.5 -19,29.5 -18,29.5 -17,29.5 -16,29.5
pads on no net: D5.A1 D13.4 D14.5 D16.1 D16.2 J1.A5 J1.A8 J1.A9 J1.A10 J1.A11 J1.A12 J1.A13 J1.A14 J1.A15 J1.A16 J1.A19 J1.A22 J1.A23 J1.A24 J1.A25 J1.A26 J1.A27 J1.A29 J1.A30 J1.A31 J1.A32 J1.A41 J1.A42 J1.A44 J1.A45 J1.B5 J1.B9 J1.B10 J1.B11 J1.B12 J1.B13 J1.B18 J1.B19 J1.B20 J1.B21 J1.B22 J1.B23 J1.B24 J1.B25 J1.B26 J1.B27 J1.B28 J1.B29 J1.B30 J1.B32 J1.B45 J1.B46 J1.B48 J1.B49 J1.C5 J1.C9 J1.C10 J1.C11 J1.C12 J1.C13 J1.C17 J1.C18 J1.C19 J1.C20 J1.C31 J1.C32 J1.C34 J1.C35 J1.C40 J1.C41 J1.C46 J1.C47 J1.C48 J1.C49 J1.C50 J1.D1 J1.D2 J1.D3 J1.D4 J1.D7 J1.D11 J1.D12 J1.D16 J1.D17 J1.D18 J1.D19 J1.D30 J1.D31 J1.D33 J1.D34 J1.D48 J1.D49 J1.D50 J1.E3 J1.E4 J1.E5 J1.E6 J1.E7 J1.E8 J1.E9 J1.E10 J1.E11 J1.E12 J1.E13 J1.E14 J1.E16 J1.E17 J1.E18 J1.E29 J1.E30 J1.E32 J1.E33 J1.E41 J1.E42 J1.E44 J1.E45 J1.E50 J1.F3 J1.F4 J1.F5 J1.F6 J1.F11 J1.F12 J1.F13 J1.F14 J1.F16 J1.F31 J1.F32 J1.F34 J1.F35 J1.G4 J1.G5 J1.G6 J1.G9 J1.G10 J1.G11 J1.G13 J1.G14 J1.G15 J1.G16 J1.G30 J1.G31 J1.G33 J1.G34 J1.H3 J1.H4 J1.H5 J1.H6 J1.H11 J1.H13 J1.H14 J1.H15 J1.H29 J1.H30 J1.H32 J1.H33 J1.H50 J1.MH1 J1.MH2 J4.16 J5.16 J8.PEG J10.18 J11.17 J12.7 J13.18 J16.TAB J20.TAB U1.2 U1.3 U1.4 U1.14 U1.26 U1.27 U1.33 U1.34 U1.35 U1.36 U1.39 U1.40 U1.41 U1.44 U1.45 U1.51 U1.52 U1.53 U1.54 U1.57 U1.58 U2.6 U2.9 U3.4 U3.5 U3.6 U3.7 U3.8 U3.9 U3.10 U3.11 U3.13 U3.14 U3.15 U3.16 U4.6 U4.9 U6_SR1.3 U6_SR1.4 U6_SR1.5 U6_SR1.6 U6_SR2.3 U6_SR2.4 U6_SR2.5 U6_SR2.6 U7.5 U7.6 U7.9 U7.10 U9.4 U9.6 U9.9 U9.11 U12.15 U15.13 U15.15 U15.32 U16.1 U16.8 U16.19 U16.24 U17.2 U17.3 U17.4 U17.5 U17.6 U17.7 U17.12 U17.14 U17.15 U17.16 U17.17 U17.19 U17.21 U17.22
copper on no net:
  other v1: 69.5,-28.5
  other v4: 5.3,33.775
  other v5: -25.3,-23 -24.9,-20.2

## Polygon pours and split planes (outlines as drawn)
GND on Power_layer1 "Internal_ground" (solid, pour order 32): -68.4,-43.5 71.6,-43.5 71.6,43.5 -68.4,43.5
VIN_PSU on Power_layer1 "inner1_vin" (solid, pour order 25): -19.5,27 -19.5,30 -17.5,30 -17.5,35.25 25,35.25 25,22 31.75,22 31.75,20.75 22.5,20.75 22.5,33.75 -15.5,33.75 -15.5,27
VDD_3V3_SYS on Power_layer1 "Power_layer2-VDD_3V3_SYS" (solid, pour order 21): 37.5,9.25 37.5,27.318 67.75,27.318 67.75,15.5 65.75,15.5 65.75,25.75 40,25.75 40,7.25 16.25,7.25 16.25,-5.25 41.5,-5.25 41.5,-20 43.5,-20 43.5,-33 66.75,-33 66.75,-29 68,-29 68,-34.75 41.5,-34.75 41.5,-28.25 33.25,-28.25 33.25,-11.25 12.5,-11.25 12.5,7.25 5.25,7.25 5.25,31.25 -8.665,31.25 -8.665,10 -18,10 -18,7.25 -15.25,7.25 -15.25,2.5 -18.5,2.5 -18.5,6 -21.25,6 -21.25,12.5 -12.5,12.5 -12.5,33.5 22.2,33.5 22.2,20.5 32,20.5 32,33 41.5,33 41.5,34.75 42.5,34.75 42.5,32.25 33.5,32.25 33.5,15.75 11.25,15.75 11.25,26.5 7.25,26.5 7.25,9.25
VDD_5V0_SYS on Power_layer1 "Power_layer1_5v0" (solid, pour order 18): -36,37.5 -12.75,37.5 -6.25,37.5 -6.25,40 -44.25,40 -44.25,38.75 -44.25,37.25 -44.25,34.1 -40.4,34.1 -40.4,1.25 -43.75,1.25 -43.75,-3.5 -30,-3.5 -30,-36.25 5,-36.25 5,-42.25 22,-42.25 22,-39.75 32.25,-39.75 32.25,-30 41.25,-30 41.25,-28.5 34.25,-28.5 34.25,-29.25 31.25,-29.25 31.25,-32 7,-32 -26.5,-32 -26.5,-3.5 -16.5,-3.5 -16.5,0.25 -36,0.25
GND on Power_layer1 "inner1_signal" (solid, pour order 22): -26.25,-25 -5,-25 -5,-31.75 5,-31.75 5,28.5 -1.75,28.5 -5.5,28.5 -5.5,-3.75 -26.25,-3.75
VIN_NVM on Power_layer1 "NVM_POWER" (solid, pour order 16): -17.75,7.5 -17.75,9.75 -8.5,9.75 -8.5,31 -2,31 -2,28.75 -5.75,28.75 -5.75,7.5
VDD_1V8_SYS on Power_layer1 "inner1_1v8" (solid, pour order 24): 25.25,35.5 25.25,27.5 33.723,27.5 33.75,27.473 33.75,15.5 11,15.5 11,26.25 7.5,26.25 7.5,9.5 37.25,9.5 37.25,27.5 68,27.5 68,-34.75 69.75,-34.75 69.75,30.75 47.5,30.75 47.5,37.25 -8.25,37.25 -12.5,37.25 -12.5,35.5
VDD_3V3_MCU on Power_layer1 "inner1_3v3_mcu" (solid, pour order 26): 49.5,17.25 53.25,17.25 53.25,16.25 46.75,16.25 46.75,3.75 51.277,3.75 51.277,2.5 51.25,2.527 51.25,-30.75 66.5,-30.75 66.5,-32.75 48.75,-32.75 48.75,-5 16.5,-5 16.5,7 40.25,7 40.25,25.5 49.5,25.5
VDD_5V0_SYS on Power_layer1 "inner1_5v0" (solid, pour order 30): -1,42.25 -1,37.5 31.5,37.5 31.5,39 0.5,39 0.5,42.25
GND on Component Side "Outer_ground1" (solid, remove dead copper, pour order 36): -68.4,-43.5 71.6,-43.5 71.6,43.5 -68.4,43.5
GND on Component Side "GROUND_PSU" (solid, remove dead copper, pour order 20): -7,1.25 -7,5 -7,43.5 -68.4,43.5 -68.4,1.25
VDD_5V0_SYS on Component Side "outer1_5v0" (solid, pour order 19): -7.995,39.75 -6.25,39.75 -6.25,37 -1,37 -1,42.25 0.5,42.25 0.5,35.5 -7.995,35.5
GND on Power_layer2 "Internal_ground2" (solid, pour order 34): -68.4,-43.5 71.6,-43.5 71.6,43.5 -68.4,43.5
VIN_PSU on Power_layer2 "INPUT_PSU" (solid, pour order 15): -46.25,7.25 -42.5,7.25 -42.5,5 -32.5,5 -32.5,9.5 -24,9.5 -24,7.5 -29,7.5 -29.1,7.4 -29.1,1.25 -55,1.25 -55,30 -28.3,30 -28.3,26.5 -24.25,26.5 -24.25,30 -15.5,30 -15.5,27 -21,27 -21,23.75 -46.25,23.75
GND on Solder Side "Outer_ground2" (solid, remove dead copper, pour order 38): -68.4,-43.5 71.6,-43.5 71.6,43.5 -68.4,43.5

## Keep-outs
Keep-Out Layer:
  the board outline again, w0.051

## Other copper
Component Side:
  rectangle net DC_INrp: -47.5,24.4 -47,24.4
  region net VDD_3V3_SYS: -15.25,2.4 -15.25,5.6 -18.175,5.6 -18.175,2.4
  region net VDD_3V3_STBY: -21.2,3.25 -21.2,6.2 -18.7,6.2 -18.7,-1.2 -20.7,-1.2 -20.7,0.25 -28.25,0.25 -28.9,0.25 -28.9,3.25
  region net VDD_5V0_SYS: 11.75,-39.25 9.55,-39.25 9.55,-39.35 9.55,-39.45 9.55,-41.75 11.75,-41.75
  region net NetC94_2: 17.9,-40.35 17.9,-39.5 17.2,-39.5 17.2,-40.35 13.75,-40.35 13.75,-41.85 19.25,-41.85 19.25,-40.35
  region net NetC93_2: 12.05,-41.85 12.05,-39.25 15.75,-39.25 15.75,-39.95 13.15,-39.95 13.15,-41.85
  region net NetC111_2: 52.3,-4.4 53.35,-4.4 53.35,-7.6 48.9,-7.6 48.9,-6.2 52.3,-6.2
  region net NetC109_2: 59.9,3.6 58.5,5 58.5,5.8 57.75,5.8 57.75,7.6 59.2,7.6 59.2,4.9 60.4,3.7 60.4,2.2 62.7,2.2 62.7,1.6 60.5,1.6 60.5,-0.3 62.7,-0.3 62.7,-1 61.3,-1 61.1,-1.2 59.8,-1.2 59.8,-1.875 58,-1.875 58,-1.6 59.2,-1.6 59.2,-0.9 58,-0.9 58,-0.6 59.9,-0.6
  region net NetJ19_7: 65.6,-6.2 65.6,-5.3 69.7,-5.3 69.7,-2.3 63.2,-2.3 63.2,-0.2 70.5,-0.2 70.5,-6.2
  region net NetJ18_7: 65.6,8.7 65.6,7.8 69.7,7.8 69.7,2.3 63.2,2.3 63.2,0.2 70.5,0.2 70.5,8.7
  region net VDD_5V0_SYS: -43.25,-2.4 -43.25,0.5 -40,0.5 -40,-2.4
  region net NetC88_2: -45.25,-0.7 -51.5,-0.7 -51.5,0.75 -45.25,0.75
  region net NetC87_2: -46,-2.5 -46,-1.75 -44.75,-1.75 -44.75,0.75 -43.5,0.75 -43.5,-2.5
  region net VIN_NVM: -25.25,15.25 -24,15.25 -24,12 -10.7,12 -10.7,7.5 -21.25,7.5 -21.25,9.75 -25.25,9.75
  region net VIN_PSU: -25.75,15.25 -25.75,9.5 -24,9.5 -24,7.5 -27,7.5 -27,15.25
  region net VDD_3V3_SYS: 13.6,35.25 13.6,32.35 11.3,32.35 11.3,34.95 12.8,34.95 12.8,35.25
  region net NetC21_2: 14.6,38.55 12.3,38.55 12.3,39.15 11.4,39.15 11.4,42.35 13.2,42.35 13.2,41.35 14.6,41.35
  region net NetC20_2: 12,37.95 12,38.95 11.3,38.95 11.3,36.55 14.6,36.55 14.6,37.95
  region net VIN_PSU: 32.8,21.16 32.8,22 28.432,22 28.432,21.1 28.432,19.76 32.8,19.76 32.8,20.56 34.832,20.56 34.832,21.16
  region net VDD_3V3_MCU: 37.732,28.46 37.732,26.053 43.832,26.076 43.832,22.46 39.432,22.46 39.432,24.26 36.232,24.26 36.232,28.46
  region net NetC50_1: 34.932,22.16 35.132,22.36 35.132,24.66 33.532,24.66 33.532,28.46 36.032,28.46 36.032,21.96 35.532,21.46 33.732,21.46 33.732,22.16
  region net NetL6_2: 56.4,-2 55.6,-2 55.6,-3.6 55.2,-4 54.3,-4 54.3,-8 56.4,-8
  region net NetL6_1: 57.1,-2 57.9,-2 57.9,-3.6 58.3,-4 58.7,-4 58.7,-8 57.1,-8
  region net GND: -37,19.25 -33.5,19.25 -33.5,22.5 -35.75,22.5 -35.75,21.25 -37,21.25
  region net VDD_3V3_SYS: -18.1,25.2 -15.5,25.2 -15.5,22.9 -8.1,22.9 -8.1,19.6 -18.1,19.6
  region net VDD_1V8_SYS: -18.1,31.6 -15.5,31.6 -15.5,33.9 -8.1,33.9 -8.1,37.2 -18.1,37.2
  region net BAT_CONc: -56.5,10.4 -57.6,10.4 -57.6,7.25 -55.6,7.25 -55.6,10.4
  region net VIN_PSU: -34.5,28 -34.5,26.75 -33.025,26.75 -33.025,28 -28.3,28 -28.3,28.8 -29.5,28.8 -30,29.3 -32.2,29.3 -33.3,30.4 -39.8,30.4 -39.8,28
  region net VIN_PSU: -24.2,28.8 -24.2,28 -23,28 -22.5,27.5 -20.3,27.5 -19.3,26.5 -12.7,26.5 -12.7,30.3 -19.3,30.3 -20.3,29.3 -22.5,29.3 -23,28.8
  region net NetC43_1: -24.2,27.3 -24.2,27 -23.3,27 -23,26.7 -23,19.8 -19.5,19.8 -19.5,26.3 -20.5,27.3
  region net NetC51_1: -24.2,29.5 -24.2,29.8 -23.3,29.8 -23,30.1 -23,37 -19.5,37 -19.5,30.5 -20.5,29.5
  region net NetC32_1: -28.3,29.5 -28.3,29.8 -29.2,29.8 -29.5,30.1 -29.5,37 -33,37 -33,30.5 -32,29.5
  region net VIN_PSU: -45.1,6.75 -45.1,7.2 -42.5,7.2 -42.5,4 -58.5,4 -58.5,6.75
  region net BAT_CON: -60,20.5 -60,14.5 -57,14.5 -57,12 -55.6,12 -55.6,13.3 -54.5,13.3 -54.5,20.5
  region net GND: -37,4.5 -33.5,4.5 -33.5,7.75 -35.75,7.75 -35.75,6.5 -37,6.5
  region net BQSL: -40.5,22.5 -40.5,21.2 -42,21.2 -42,19.15 -40.5,19.15 -40.5,15.15 -32.75,15.15 -32.75,17.4 -36,17.4 -37.5,18.9 -37.5,22.5
  region net BQSR: -32.75,11.65 -39.75,11.65 -40.5,11.65 -40.5,6.5 -42,6.5 -42,4.5 -37.5,4.5 -37.5,7.9 -36,9.4 -32.75,9.4
  region net BQL: -42.5,23.2 -42.5,24.6 -44.3,24.6 -44.3,22.15 -45.25,22.15 -45.25,19.4 -42.5,19.4
  region net DC_INfb: -52.25,24.1 -52.25,33.9 -50.75,33.9 -50.75,26.15 -50.75,24.1
  region net DC_INrp: -50.5,37.25 -53.5,37.25 -53.5,35.75 -50.5,35.75 -50.5,25.9 -50.5,23.4 -45.9,23.4 -45.9,24.6 -48,24.6 -48,38.5 -50.5,38.5
  region net VDD_5V0_SYS: -34.4,31.6 -37,31.6 -37,33.9 -44.4,33.9 -44.4,37.2 -34.4,37.2
  region net DC_IN: -52.75,33.9 -52.75,26.9 -58,26.9 -58,31.4 -55.75,31.4 -55.75,33.9
  text "L1" at -44.75,40.25 h1.75
Power_layer1:
  text "L2" at -42.25,40.25 h1.75
Power_layer2:
  pour cut-out: 7.9,-39.5 7.9,-37.8 11.2,-37.8 11.2,-39.5
  pour cut-out: 25.2,-35.4 32.8,-35.4 32.8,-36.5 25.2,-36.5
  text "L3" at -39.75,40.25 h1.75
Solder Side:
  text "L4" at -37.25,40.25 h1.75
Multi-Layer:
  pour cut-out: -45,42.5 -45,40 -35,40 -35,42.5

## Silkscreen, mask and mechanical layers (free items; w line width, h text height)
Top Overlay:
  lines w0.254: -9.5,-30 -9.5,-28.5 -7,-28.5 -7,-30 -9.5,-30 ; -9.5,-26.25 -9.5,-24.75 -7,-24.75 -7,-26.25 -9.5,-26.25 ; -8.25,15.75 -6.75,15.75 -6.75,18.25 -8.25,18.25 -8.25,15.75 ; 43.65,-32.795 55.65,-32.795 55.65,-28.795 43.65,-28.795 43.65,-29.795 43.65,-32.795 ; 43.65,28.795 55.65,28.795 55.65,29.795 55.65,32.795 43.65,32.795 43.65,28.795 ; 56.35,-32.795 68.35,-32.795 68.35,-28.795 56.35,-28.795 56.35,-29.795 56.35,-32.795 ; 56.35,28.795 68.35,28.795 68.35,29.795 68.35,32.795 56.35,32.795 56.35,28.795
  text "JTAG" at 47.75,15.75 h0.76
Bottom Overlay:
  drawing of 2862 lines, arcs and shapes, not listed
  text "WARN! / WASHER" at -8.25,37.75 h1.52
  text "YOU INSTALLED THIS / UPSIDE DOWN, DUMBASS!" at 43.075,15.675 h0.76 r90
  text "WE DO WHAT / WE MUST, BECAUSE / WE CAN." at -13,-34.5 h1.52
Top Solder:
  region: -44.75,40.25 -35.25,40.25 -35.25,42.25 -44.75,42.25
Bottom Solder:
  region: -44.75,42.25 -44.75,40.25 -35.25,40.25 -35.25,42.25

## Text inside footprints (layer, text, board x,y; h text height)
J9: Bottom Overlay "uSD" at 12.195,36.95 h0.76 r180
J10: Top Overlay "Hello?" at -62.472,-18.918 h0.76 r270
J12: Top Overlay "1" at -62.516,10.92 h0.76 r270
J15: Bottom Overlay "SS" at 10.75,-41.95 h0.76
SPK1: Bottom Overlay "TAPE / HERE" at 49.959,36.521 h0.76 r180